# Altium PCB miniBackplane.PcbDoc (part 7 of 24)
Units mil, origin at the board's own origin, x right, y up, seen from the top; angles counter-clockwise.
Board outline 17285.63 x 8582.68 mil, 6 copper layers (Top Layer, Mid-Layer 1, GND, PWR, Mid-Layer 2, Bottom Layer), stack 62.362 mil thick; 519 components, 474 nets, 2434 pads, 1493 vias.
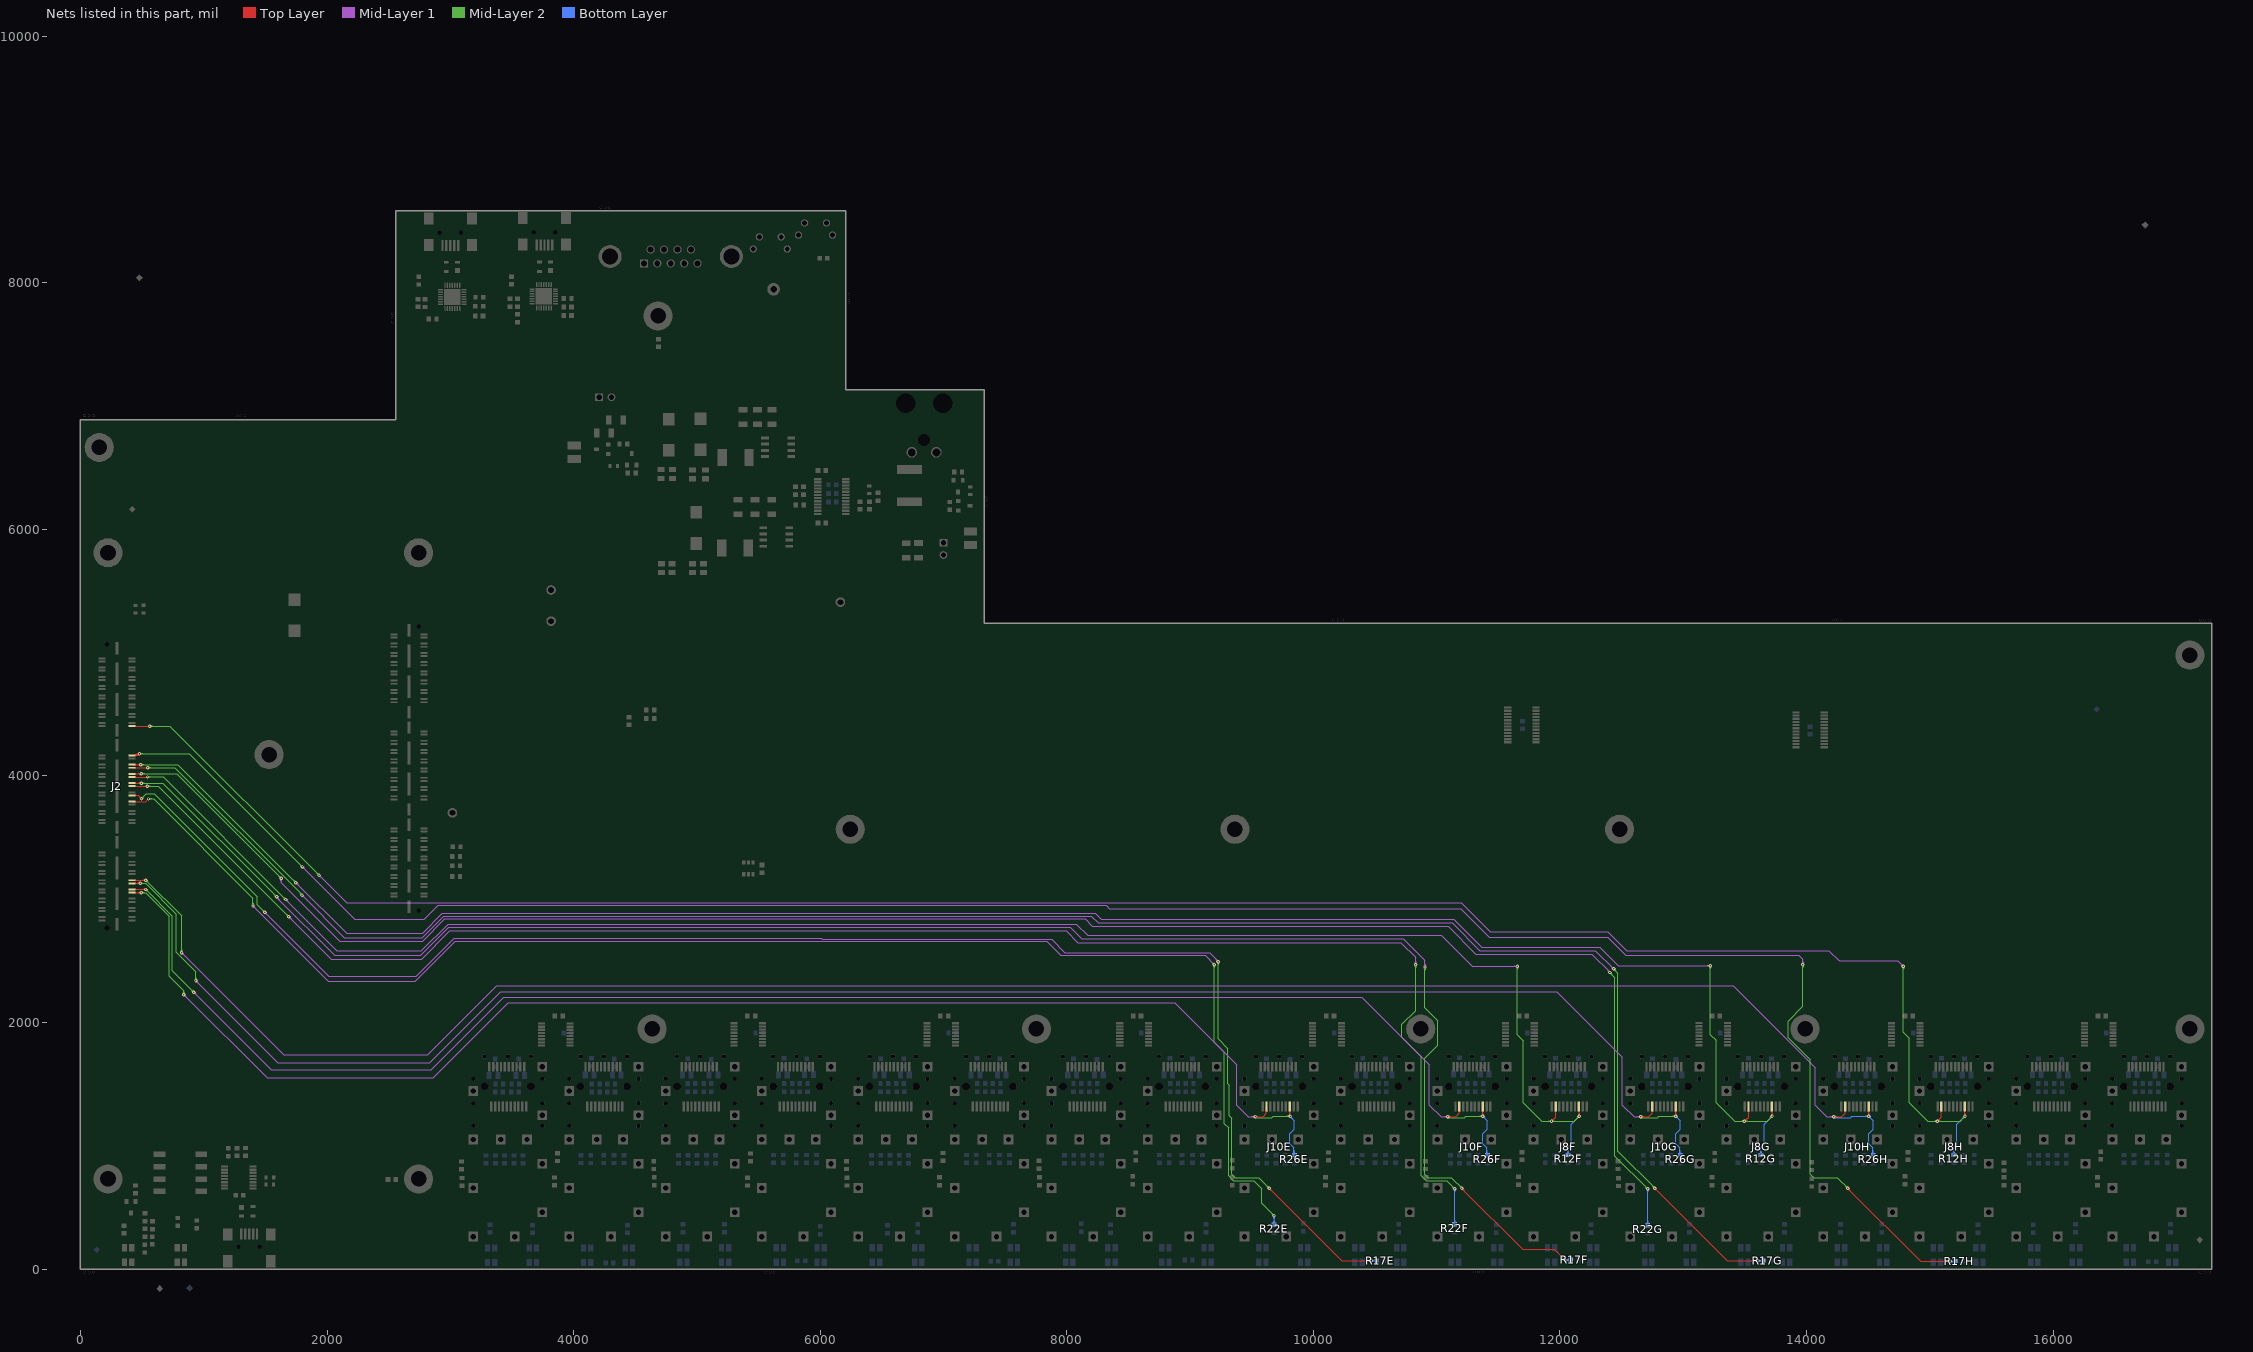
[diagram p11: the nets of this part, all layers, seen from the top]

## Via types
v1: diameter 27.56, hole 11.81, Top Layer to Bottom Layer, tented both sides, 1347 vias
v2: diameter 23.62, hole 11.81, Top Layer to Bottom Layer, tented both sides, 146 vias

## Nets (pads, with @x,y where several pads share a name; then routed paths per layer and width w, separated by ;. In a path a pad name is that pad's centre, name@x,y a point inside that pad or via, vN(x,y) a via of type N, cw(c..) or ccw(c..) an arc to the next point about the centre after c; other vN are vias at no path point) (continued)
FPGA_GPIO5: J2.20 J10H.2 J10H.8 R26H.1 | length 17435.9
  Top Layer w7.87: J2.20@417.94,3153.79 418.53,3154.38 526.62,3154.38 528,3153 v1(531,3153) ; v1(14221.75,1235.56) 14286.75,1235.56 14314.72,1263.54 J10H.2@14314.72,1320.05 ; v1@14503.7,1240.61 J10H.8@14503.7,1320.05 ; 14245.51,1235.56 ccw(c14245.51,1211.8) 14228.71,1228.6 cw(c14245.51,1211.8) 14245.51,1235.56 ; 14245.51,1235.56 cw(c14245.51,1259.32) 14228.71,1242.52 ccw(c14245.51,1259.32) 14245.51,1235.56 ; 14314.72,1274.6 ccw(c14300.47,1274.6) 14310.55,1284.68 cw(c14300.47,1274.6) 14314.72,1274.6 ; 14314.72,1274.6 cw(c14328.98,1274.6) 14318.9,1284.68 ccw(c14328.98,1274.6) 14314.72,1274.6 ; 14503.7,1274.6 ccw(c14489.44,1274.6) 14499.52,1284.68 cw(c14489.44,1274.6) 14503.7,1274.6 ; 14503.7,1274.6 cw(c14517.96,1274.6) 14507.88,1284.68 ccw(c14517.96,1274.6) 14503.7,1274.6 ; J2.20@441.39,3151.01 cw(c449.54,3142.86) 449.54,3154.38 ccw(c449.54,3142.86) J2.20@441.39,3151.01 ; J2.20@441.39,3156.58 ccw(c446.69,3161.87) 446.69,3154.38 cw(c446.69,3161.87) J2.20@441.39,3156.58 ; 503.9,3154.38 cw(c503.9,3125.9) 524.04,3146.04 ccw(c503.9,3125.9) 503.9,3154.38 ; 510.57,3154.38 ccw(c510.57,3173.43) 524.04,3159.96 cw(c510.57,3173.43) 510.57,3154.38 ; v1@14498.73,1245.58 ccw(c14486.74,1257.57) 14503.7,1257.57 cw(c14486.74,1257.57) v1@14498.73,1245.58 ; 14503.7,1267.19 ccw(c14534.26,1267.19) 14512.65,1245.58 cw(c14534.26,1267.19) 14503.7,1267.19
  Mid-Layer 1 w7.09: v1@816.23,2563.87 ccw(c832,2568.59) 827.74,2552.69 ; v1@820.9,2566.9 1648.62,1739.17 2816.93,1739.17 3375,2297.24 13406.5,2297.24 ; 13406,2296.75 14071.75,1631.01 14071.75,1330.56 14166,1236.31 v1@14221,1236.31 ; v1@820,2554.76 cw(c820,2523.3) 842.25,2545.55 ccw(c820,2523.3) v1@820,2554.76 ; v1@830.24,2565 ccw(c848.2,2565) 835.5,2552.3 cw(c848.2,2565) v1@830.24,2565 ; 14195.23,1236.31 cw(c14195.23,1209.04) 14214.51,1228.32 ccw(c14195.23,1209.04) 14195.23,1236.31 ; 14198.84,1236.31 ccw(c14198.84,1258.47) 14214.51,1242.8 cw(c14198.84,1258.47) 14198.84,1236.31
  Mid-Layer 2 w7.09: v1(531,3153) 820,2864 v1(820,2565) ; 548.47,3135.53 ccw(c531,3118.05) 531,3142.76 cw(c531,3118.05) 548.47,3135.53 ; 548.47,3135.53 cw(c565.95,3153) 541.24,3153 ccw(c565.95,3153) 548.47,3135.53 ; 820,2589.71 ccw(c844.71,2589.71) 827.24,2572.24 cw(c844.71,2589.71) 820,2589.71 ; 820,2589.71 cw(c795.29,2589.71) 812.76,2572.24 ccw(c795.29,2589.71) 820,2589.71
  Bottom Layer w7.87: v1@14221.75,1228.53 14357.64,1228.53 14367.73,1238.62 v1(14505.69,1238.62) 14540.69,1203.62 14540.69,1133.62 14503.7,1096.63 14503.7,1014.93 14535.69,982.94 14535.69,928.21 R26H.1@14541.38,922.53 ; v1@14223.32,1234.38 cw(c14232.17,1227.77) 14237.69,1237.33 ; v1@14229.15,1229.08 cw(c14232.71,1225.96) 14235.08,1230.06 cw(c14238.58,1236.12) v1@14231.59,1235.89 ; v1@14229.63,1229.67 cw(c14239.32,1222.42) 14245.37,1232.9 ; 14481.93,1238.62 ccw(c14481.93,1262.38) 14498.73,1245.58 cw(c14481.93,1262.38) 14481.93,1238.62 ; 14481.93,1238.62 cw(c14481.93,1214.86) 14498.73,1231.66 ccw(c14481.93,1214.86) 14481.93,1238.62 ; 14522.5,1221.82 ccw(c14505.69,1205.02) 14505.69,1228.78 cw(c14505.69,1205.02) 14522.5,1221.82 ; 14522.49,1221.82 cw(c14539.3,1238.62) 14515.54,1238.62 ccw(c14539.3,1238.62) 14522.49,1221.82 ; v1@14223.14,1236.95 ccw(c14243.48,1257.29) 14243.48,1228.53 cw(c14243.48,1257.29) v1@14223.14,1236.95 ; v1@14228.71,1242.52 ccw(c14262.49,1276.3) 14262.49,1228.53 cw(c14262.49,1276.3) v1@14228.71,1242.52 ; R26H.1@14529.67,932.27 ccw(c14515.12,946.82) 14535.69,946.82 cw(c14515.12,946.82) R26H.1@14529.67,932.27 ; 14535.69,945.76 ccw(c14562.64,945.76) 14543.59,926.7 cw(c14562.64,945.76) 14535.69,945.76 ; 14535.69,964.77 ccw(c14581.65,964.77) 14549.15,932.27 cw(c14581.65,964.77) 14535.69,964.77
FPGA_GPIO6: J2.64 R17H.1 | length 18997
  Top Layer w7.87: J2.64@417.94,4166.29 473.29,4166.29 479,4172 v1(479,4179) v1@484,4184 ; J2.64@440.58,4169.7 ccw(c447.52,4181.72) 451.11,4168.31 ; J2.64@442.02,4164.32 cw(c461.01,4153.36) 455.33,4174.54 ; 448.39,4171.8 cw(c460.21,4152.07) v1@473.37,4170.93 ; 456.98,4168.48 cw(c467.59,4150.09) v1@475.39,4169.84 ; 458.83,4178.05 cw(c467.84,4163) v1@477.87,4177.39 ; 461.45,4171.06 ccw(c452.81,4186.02) v1@469.49,4181.55 ; 467.26,4165.64 ccw(c463.74,4171.75) v1@470.11,4174.78 ; v1@14335.17,652.61 cw(c14329.48,632.06) 14350.07,637.58 ; v1(14335.69,654.5) 14335.69,652.48 14925.17,63 v1(15165.33,63) ; 448.12,4166.29 ccw(c448.12,4156.79) 441.39,4163.51 cw(c448.12,4156.79) 448.12,4166.29 ; 448.12,4166.29 cw(c448.12,4175.8) 441.39,4169.08 ccw(c448.12,4175.8) 448.12,4166.29 ; 15141.57,63 ccw(c15141.57,86.76) 15158.37,69.96 cw(c15141.57,86.76) 15141.57,63 ; 15141.57,63 cw(c15141.57,39.24) 15158.37,56.04 ccw(c15141.57,39.24) 15141.57,63 ; J2.64@424.56,4166.29 ccw(c424.56,4233.44) 472.04,4185.96 cw(c424.56,4233.44) J2.64@424.56,4166.29 ; J2.64@443.57,4166.29 ccw(c443.57,4214.43) 477.61,4180.39 cw(c443.57,4214.43) J2.64@443.57,4166.29 ; 462.58,4166.29 ccw(c462.58,4195.42) 483.18,4174.82 cw(c462.58,4195.42) 462.58,4166.29 ; v1@14335.69,644.66 cw(c14335.69,625.78) 14349.04,639.13 ccw(c14335.69,625.78) v1@14335.69,644.66 ; v1@14345.54,654.5 ccw(c14374.18,654.5) 14353.93,634.25 cw(c14374.18,654.5) v1@14345.54,654.5
  Mid-Layer 1 w7.09: v1(1800.69,3261.32) 2223.43,2838.58 2789.37,2838.58 2900.59,2949.8 8319.88,2949.8 8345.47,2924.21 11193.9,2924.21 11425.2,2692.91 12389.76,2692.91 12535.43,2547.24 13937.01,2547.24 13970.71,2513.54 v1(13970.71,2470) ; 1818.16,3243.84 ccw(c1800.69,3226.37) 1800.69,3251.08 cw(c1800.69,3226.37) 1818.16,3243.84 ; 1818.16,3243.84 cw(c1835.64,3261.32) 1810.93,3261.32 ccw(c1835.64,3261.32) 1818.16,3243.84 ; 13970.71,2494.71 ccw(c13995.42,2494.71) 13977.95,2477.24 cw(c13995.42,2494.71) 13970.71,2494.71 ; 13970.71,2494.71 cw(c13946,2494.71) 13963.47,2477.24 ccw(c13946,2494.71) 13970.71,2494.71
  Mid-Layer 2 w7.09: v1(479,4179) 883.01,4179 v1(1800.69,3261.32) ; v1(13970.71,2470) 13970.71,2132.13 13850.39,2011.81 13850.39,1877.95 14031.75,1696.6 14031.75,770.56 14060.5,741.81 14250.5,741.81 v1@14336.75,655.56 ; 14323.45,662 ccw(c14338.92,666.14) v1@14334.64,650.71 ; 503.71,4179 ccw(c503.71,4154.29) 486.24,4171.76 cw(c503.71,4154.29) 503.71,4179 ; 503.71,4179 cw(c503.71,4203.71) 486.24,4186.24 ccw(c503.71,4203.71) 503.71,4179 ; 1783.21,3278.79 ccw(c1800.69,3296.27) 1800.69,3271.56 cw(c1800.69,3296.27) 1783.21,3278.79 ; 1783.21,3278.79 cw(c1765.74,3261.32) 1790.45,3261.32 ccw(c1765.74,3261.32) 1783.21,3278.79 ; 13970.71,2445.29 ccw(c13946,2445.29) 13963.47,2462.76 cw(c13946,2445.29) 13970.71,2445.29 ; 13970.71,2445.29 cw(c13995.42,2445.29) 13977.95,2462.76 ccw(c13995.42,2445.29) 13970.71,2445.29 ; 14316.73,675.58 cw(c14295.65,654.5) 14325.46,654.5 ccw(c14295.65,654.5) 14316.73,675.58 ; 14321.82,670.49 ccw(c14335.69,684.36) 14335.69,664.74 cw(c14335.69,684.36) 14321.82,670.49
  Bottom Layer w7.87: v1(15165.33,63) 15169.27,59.06 R17H.1@15216.51,59.06 ; v1@15174.69,66.05 ccw(c15180.4,67.91) 15181.96,62.1 ; v1@15174.69,66.05 ccw(c15180.4,67.91) 15181.96,62.1 ; v1@15174.69,66.05 ccw(c15180.4,67.91) 15181.96,62.1 ; 15179.59,59.06 ccw(c15179.59,48.74) 15172.29,56.04 cw(c15179.59,48.74) 15179.59,59.06 ; 15179.59,59.06 cw(c15179.59,77.26) 15166.72,64.39 ccw(c15179.59,77.26) 15179.59,59.06 ; v1@15170.62,59.06 ccw(c15170.62,99.05) 15198.89,70.77 cw(c15170.62,99.05) v1@15170.62,59.06 ; v1@15172.29,69.96 ccw(c15198.6,96.27) 15198.6,59.06 cw(c15198.6,96.27) v1@15172.29,69.96 ; 15180.12,59.06 cw(c15180.12,32.52) 15198.89,51.29 ccw(c15180.12,32.52) 15180.12,59.06 ; 15189.63,59.06 ccw(c15189.63,80.04) 15204.46,65.21 cw(c15189.63,80.04) 15189.63,59.06
FPGA_GPIO7: J2.66 J8H.2 J8H.8 R12H.1 | length 18495.5
  Top Layer w7.87: J2.66@417.94,4403.79 418.53,4403.2 562.2,4403.2 v1(562.79,4403.79) v1@563,4404 ; v1@15061.35,1201.61 ccw(c15057.58,1220.02) 15075.74,1215.15 ; v1(15061.75,1199.68) 15094.72,1232.65 J8H.2@15094.72,1320.05 ; v1@15063.68,1199.28 cw(c15082.09,1195.51) 15077.23,1213.67 ; v1(15285.69,1238.62) J8H.8@15285.69,1318.06 ; 15078.55,1216.48 ccw(c15095.35,1199.68) 15071.59,1199.68 cw(c15095.35,1199.68) 15078.55,1216.48 ; 15078.55,1216.48 cw(c15061.75,1233.28) 15061.75,1209.52 ccw(c15061.75,1233.28) 15078.55,1216.48 ; 15094.72,1274.6 ccw(c15080.47,1274.6) 15090.55,1284.68 cw(c15080.47,1274.6) 15094.72,1274.6 ; 15094.72,1274.6 cw(c15108.98,1274.6) 15098.9,1284.68 ccw(c15108.98,1274.6) 15094.72,1274.6 ; 15285.69,1262.38 ccw(c15309.45,1262.38) 15292.65,1245.58 cw(c15309.45,1262.38) 15285.69,1262.38 ; 15285.69,1262.38 cw(c15261.93,1262.38) 15278.73,1245.58 ccw(c15261.93,1262.38) 15285.69,1262.38 ; J2.66@441.39,4401.01 cw(c446.69,4395.71) 446.69,4403.2 ccw(c446.69,4395.71) J2.66@441.39,4401.01 ; J2.66@441.39,4406.58 ccw(c449.54,4414.72) 449.54,4403.2 cw(c449.54,4414.72) J2.66@441.39,4406.58 ; J8H.8@15279.52,1284.68 cw(c15264.63,1269.79) 15285.69,1269.79 ccw(c15264.63,1269.79) J8H.8@15279.52,1284.68
  Mid-Layer 1 w7.09: v1(1935.04,3194.88) 2158.46,2971.46 11201.77,2971.46 11437.01,2736.22 12389.76,2736.22 12543.31,2582.68 14181.1,2582.68 14263.78,2500 14740.16,2500 v1(14785.71,2454.45) ; 1952.51,3177.41 ccw(c1935.04,3159.93) 1935.04,3184.65 cw(c1935.04,3159.93) 1952.51,3177.41 ; 1952.51,3177.41 cw(c1969.99,3194.88) 1945.28,3194.88 ccw(c1969.99,3194.88) 1952.51,3177.41 ; 14768.23,2471.92 ccw(c14785.71,2489.4) 14785.71,2464.69 cw(c14785.71,2489.4) 14768.23,2471.92 ; 14768.23,2471.92 cw(c14750.76,2454.45) 14775.47,2454.45 ccw(c14750.76,2454.45) 14768.23,2471.92
  Mid-Layer 2 w7.09: v1(562.79,4403.79) 726.13,4403.79 v1(1935.04,3194.88) ; v1(14785.71,2454.45) 14785.71,1919.02 14831.75,1872.98 14831.75,1350.56 14983.68,1198.62 15245.69,1198.62 v1(15285.69,1238.62) ; 587.5,4403.79 ccw(c587.5,4379.08) 570.03,4396.55 cw(c587.5,4379.08) 587.5,4403.79 ; 587.5,4403.79 cw(c587.5,4428.5) 570.03,4411.03 ccw(c587.5,4428.5) 587.5,4403.79 ; 1917.57,3212.36 ccw(c1935.04,3229.83) 1935.04,3205.12 cw(c1935.04,3229.83) 1917.57,3212.36 ; 1917.57,3212.36 cw(c1900.09,3194.88) 1924.8,3194.88 ccw(c1900.09,3194.88) 1917.57,3212.36 ; 14785.71,2429.74 ccw(c14761,2429.74) 14778.47,2447.21 cw(c14761,2429.74) 14785.71,2429.74 ; 14785.71,2429.74 cw(c14810.42,2429.74) 14792.95,2447.21 ccw(c14810.42,2429.74) 14785.71,2429.74 ; 15268.22,1221.15 ccw(c15250.74,1238.62) 15275.46,1238.62 cw(c15250.74,1238.62) 15268.22,1221.15 ; 15268.22,1221.15 cw(c15285.69,1203.67) 15285.69,1228.39 ccw(c15285.69,1203.67) 15268.22,1221.15 ; 15034.49,1198.62 ccw(c15034.49,1226.94) 15054.51,1206.92 cw(c15034.49,1226.94) 15034.49,1198.62 ; 15039.58,1198.62 cw(c15039.58,1177.51) 15054.51,1192.44 ccw(c15039.58,1177.51) 15039.58,1198.62 ; v1@15068.99,1192.44 cw(c15083.91,1177.51) 15083.91,1198.62 ccw(c15083.91,1177.51) v1@15068.99,1192.44 ; v1@15068.99,1206.92 ccw(c15089.01,1226.94) 15089.01,1198.62 cw(c15089.01,1226.94) v1@15068.99,1206.92
  Bottom Layer w7.87: R12H.1@15195.69,925.12 15195.69,988.62 15220.69,1013.62 15220.69,1173.62 v1(15285.69,1238.62) ; 15195.69,958.38 ccw(c15228.96,958.38) 15205.44,934.86 cw(c15228.96,958.38) 15195.69,958.38 ; 15195.69,958.38 cw(c15162.43,958.38) 15185.95,934.86 ccw(c15162.43,958.38) 15195.69,958.38 ; 15268.89,1221.82 ccw(c15252.09,1238.62) 15275.85,1238.62 cw(c15252.09,1238.62) 15268.89,1221.82 ; 15268.89,1221.82 cw(c15285.69,1205.02) 15285.69,1228.78 ccw(c15285.69,1205.02) 15268.89,1221.82
FPGA_GPIO8: J2.56 R22G.1 | length 15843.7
  Top Layer w7.87: J2.56@417.94,4016.29 v1(494.29,4016.29) v1@495,4017 ; 448.12,4016.29 ccw(c448.12,4006.79) 441.39,4013.51 cw(c448.12,4006.79) 448.12,4016.29 ; 448.12,4016.29 cw(c448.12,4025.8) 441.39,4019.08 ccw(c448.12,4025.8) 448.12,4016.29 ; 470.53,4016.29 ccw(c470.53,4040.05) 487.33,4023.25 cw(c470.53,4040.05) 470.53,4016.29 ; 470.53,4016.29 cw(c470.53,3992.53) 487.33,4009.33 ccw(c470.53,3992.53) 470.53,4016.29
  Mid-Layer 1 w7.09: v1(1627.95,3168.31) 1627.95,3131.89 2102.36,2657.48 2774.61,2657.48 2956.69,2839.57 8148.62,2839.57 8207.68,2780.51 11093.5,2780.51 11318.9,2555.12 12259.84,2555.12 v1@12407.48,2407.48 ; 12393.09,2413.66 ccw(c12409.74,2418.12) v1@12404.26,2401.78 ; 1627.95,3143.59 ccw(c1603.24,3143.59) 1620.71,3161.07 cw(c1603.24,3143.59) 1627.95,3143.59 ; 1627.95,3143.59 cw(c1652.67,3143.59) 1635.19,3161.07 ccw(c1652.67,3143.59) 1627.95,3143.59 ; 12385.25,2429.71 cw(c12361.06,2405.51) 12395.28,2405.51 ccw(c12361.06,2405.51) 12385.25,2429.71 ; 12394.76,2420.2 ccw(c12405.51,2430.96) 12405.51,2415.75 cw(c12405.51,2430.96) 12394.76,2420.2 ; 12397.35,2417.61 cw(c12385.25,2405.51) 12402.36,2405.51 ccw(c12385.25,2405.51) 12397.35,2417.61
  Mid-Layer 2 w7.09: v1(494.29,4016.29) 494.88,4016.88 779.38,4016.88 v1(1627.95,3168.31) ; v1@12403.54,2403.54 12445.71,2361.38 12445.71,916.6 v1(12711.75,650.56) ; v1@12406.76,2409.24 cw(c12401.28,2392.9) 12417.93,2397.36 ; 1610.48,3185.78 ccw(c1627.95,3203.26) 1627.95,3178.54 cw(c1627.95,3203.26) 1610.48,3185.78 ; 1610.48,3185.78 cw(c1593,3168.31) 1617.72,3168.31 ccw(c1593,3168.31) 1610.48,3185.78 ; 12694.27,668.03 ccw(c12711.75,685.51) 12711.75,660.8 cw(c12711.75,685.51) 12694.27,668.03 ; 12694.27,668.03 cw(c12676.8,650.56) 12701.51,650.56 ccw(c12676.8,650.56) 12694.27,668.03 ; v1@501.53,4009.05 cw(c520.43,3990.15) 520.43,4016.88 ccw(c520.43,3990.15) v1@501.53,4009.05 ; v1@501.53,4023.53 ccw(c517.58,4039.58) 517.58,4016.88 cw(c517.58,4039.58) v1@501.53,4023.53 ; v1@12405.51,2395.28 cw(c12405.51,2380.07) 12416.27,2390.82 ccw(c12405.51,2380.07) v1@12405.51,2395.28 ; v1@12408.66,2405.51 ccw(c12425.77,2405.51) 12413.67,2393.41 cw(c12425.77,2405.51) v1@12408.66,2405.51 ; v1@12415.75,2405.51 ccw(c12449.97,2405.51) 12425.77,2381.32 cw(c12449.97,2405.51) v1@12415.75,2405.51
  Bottom Layer w7.87: R22G.1@12711.75,354.34 v1(12711.75,650.56) ; 12711.75,626.8 ccw(c12687.99,626.8) 12704.79,643.6 cw(c12687.99,626.8) 12711.75,626.8 ; 12711.75,626.8 cw(c12735.51,626.8) 12718.71,643.6 ccw(c12735.51,626.8) 12711.75,626.8 ; R22G.1@12702.83,364.08 ccw(c12681.3,385.61) 12711.75,385.61 cw(c12681.3,385.61) R22G.1@12702.83,364.08 ; 12711.75,389.6 ccw(c12747.84,389.6) 12722.32,364.08 cw(c12747.84,389.6) 12711.75,389.6
  other v1: 12405.51,2405.51
FPGA_GPIO9: J2.18 J10G.2 J10G.8 R26G.1 | length 15970.3
  Top Layer w7.87: J2.18@417.94,3128.79 v1(485.79,3128.79) v1@487,3130 ; v1(12656.75,1235.56) 12721.75,1235.56 12749.72,1263.54 J10G.2@12749.72,1320.05 ; v1@12938.7,1240.61 J10G.8@12938.7,1320.05 ; 448.12,3128.79 ccw(c448.12,3119.29) 441.39,3126.01 cw(c448.12,3119.29) 448.12,3128.79 ; 448.12,3128.79 cw(c448.12,3138.3) 441.39,3131.58 ccw(c448.12,3138.3) 448.12,3128.79 ; 462.03,3128.79 ccw(c462.03,3152.55) 478.83,3135.75 cw(c462.03,3152.55) 462.03,3128.79 ; 462.03,3128.79 cw(c462.03,3105.03) 478.83,3121.83 ccw(c462.03,3105.03) 462.03,3128.79 ; 12680.51,1235.56 ccw(c12680.51,1211.8) 12663.71,1228.6 cw(c12680.51,1211.8) 12680.51,1235.56 ; 12680.51,1235.56 cw(c12680.51,1259.32) 12663.71,1242.52 ccw(c12680.51,1259.32) 12680.51,1235.56 ; 12749.72,1274.6 ccw(c12735.47,1274.6) 12745.55,1284.68 cw(c12735.47,1274.6) 12749.72,1274.6 ; 12749.72,1274.6 cw(c12763.98,1274.6) 12753.9,1284.68 ccw(c12763.98,1274.6) 12749.72,1274.6 ; 12938.7,1274.6 ccw(c12924.44,1274.6) 12934.52,1284.68 cw(c12924.44,1274.6) 12938.7,1274.6 ; 12938.7,1274.6 cw(c12952.96,1274.6) 12942.88,1284.68 ccw(c12952.96,1274.6) 12938.7,1274.6 ; v1@12933.73,1245.58 ccw(c12921.74,1257.57) 12938.7,1257.57 cw(c12921.74,1257.57) v1@12933.73,1245.58 ; 12938.7,1267.19 ccw(c12969.26,1267.19) 12947.65,1245.58 cw(c12969.26,1267.19) 12938.7,1267.19
  Mid-Layer 1 w7.09: v1(937.01,2338.58) 1600.39,1675.2 2832.68,1675.2 3408.46,2250.98 11972.44,2250.98 12506.75,1716.68 12506.75,1330.56 12601,1236.31 v1@12656,1236.31 ; 954.48,2321.11 ccw(c937.01,2303.63) 937.01,2328.35 cw(c937.01,2303.63) 954.48,2321.11 ; 954.48,2321.11 cw(c971.96,2338.58) 947.24,2338.58 ccw(c971.96,2338.58) 954.48,2321.11 ; 12630.23,1236.31 cw(c12630.23,1209.04) 12649.51,1228.32 ccw(c12630.23,1209.04) 12630.23,1236.31 ; 12633.84,1236.31 ccw(c12633.84,1258.47) 12649.51,1242.8 cw(c12633.84,1258.47) 12633.84,1236.31
  Mid-Layer 2 w7.09: v1(485.79,3128.79) 487.17,3127.41 529.59,3127.41 778,2879 778,2570.81 937.01,2411.8 v1(937.01,2338.58) ; v1@12656.75,1228.53 12792.64,1228.53 12802.73,1238.62 v1(12940.69,1238.62) ; v1@12659.31,1233.73 cw(c12668.49,1227.18) 12674.12,1236.94 ; v1@12664.75,1229.18 cw(c12668.95,1225.84) 12671.62,1230.48 cw(c12676.57,1239.05) v1@12666.83,1237.33 ; v1@12665.08,1229.61 cw(c12674.87,1222.63) 12680.88,1233.04 ; 937.01,2363.3 ccw(c961.72,2363.3) 944.25,2345.82 cw(c961.72,2363.3) 937.01,2363.3 ; 937.01,2363.3 cw(c912.3,2363.3) 929.77,2345.82 ccw(c912.3,2363.3) 937.01,2363.3 ; 12915.98,1238.62 ccw(c12915.98,1263.33) 12933.45,1245.86 cw(c12915.98,1263.33) 12915.98,1238.62 ; 12915.98,1238.62 cw(c12915.98,1213.91) 12933.45,1231.38 ccw(c12915.98,1213.91) 12915.98,1238.62 ; v1@493.03,3121.55 cw(c507.17,3107.42) 507.17,3127.41 ccw(c507.17,3107.42) v1@493.03,3121.55 ; v1@493.03,3136.03 ccw(c513.84,3156.84) 513.84,3127.41 cw(c513.84,3156.84) v1@493.03,3136.03 ; v1@12658.98,1237.79 ccw(c12681.33,1260.14) 12681.33,1228.53 cw(c12681.33,1260.14) v1@12658.98,1237.79 ; v1@12663.99,1242.8 ccw(c12698.44,1277.25) 12698.44,1228.53 cw(c12698.44,1277.25) v1@12663.99,1242.8
  Bottom Layer w7.87: v1(12940.69,1238.62) 12975.69,1203.62 12975.69,1133.62 12938.7,1096.63 12938.7,1014.93 12970.69,982.94 12970.69,928.21 R26G.1@12976.38,922.53 ; 12957.5,1221.82 ccw(c12940.69,1205.02) 12940.69,1228.78 cw(c12940.69,1205.02) 12957.5,1221.82 ; 12957.49,1221.82 cw(c12974.3,1238.62) 12950.54,1238.62 ccw(c12974.3,1238.62) 12957.49,1221.82 ; R26G.1@12964.67,932.27 ccw(c12950.12,946.82) 12970.69,946.82 cw(c12950.12,946.82) R26G.1@12964.67,932.27 ; 12970.69,945.76 ccw(c12997.64,945.76) 12978.59,926.7 cw(c12997.64,945.76) 12970.69,945.76 ; 12970.69,964.77 ccw(c13016.65,964.77) 12984.15,932.27 cw(c13016.65,964.77) 12970.69,964.77
FPGA_GPIO10: J2.58 R17G.1 | length 16957.2
  Top Layer w7.87: J2.58@417.94,4066.29 418.53,4065.7 544.7,4065.7 v1(545.29,4066.29) v1@547,4068 ; v1@12770.3,652.58 cw(c12766.53,634.16) 12784.68,639.03 ; v1(12770.69,654.5) 13358.26,66.94 v1(13606.28,66.94) ; v1@12772.62,654.9 ccw(c12791.03,658.67) 12786.17,640.51 ; 12787.5,637.7 ccw(c12770.69,620.9) 12770.69,644.66 cw(c12770.69,620.9) 12787.5,637.7 ; 12787.49,637.7 cw(c12804.3,654.5) 12780.54,654.5 ccw(c12804.3,654.5) 12787.49,637.7 ; 13582.51,66.94 ccw(c13582.51,90.7) 13599.32,73.9 cw(c13582.51,90.7) 13582.51,66.94 ; 13582.51,66.94 cw(c13582.51,43.17) 13599.32,59.98 ccw(c13582.51,43.17) 13582.51,66.94 ; J2.58@441.39,4063.51 cw(c446.69,4058.21) 446.69,4065.7 ccw(c446.69,4058.21) J2.58@441.39,4063.51 ; J2.58@441.39,4069.08 ccw(c449.54,4077.22) 449.54,4065.7 cw(c449.54,4077.22) J2.58@441.39,4069.08
  Mid-Layer 1 w7.09: v1(1797.24,3032.48) 2140.75,2688.98 2773.62,2688.98 2947.83,2863.19 8198.82,2863.19 8253.94,2808.07 11125,2808.07 11350.39,2582.68 12288.03,2582.68 v1(12435.71,2435) ; 1814.72,3015.01 ccw(c1797.24,2997.53) 1797.24,3022.24 cw(c1797.24,2997.53) 1814.72,3015.01 ; 1814.72,3015.01 cw(c1832.19,3032.48) 1807.48,3032.48 ccw(c1832.19,3032.48) 1814.72,3015.01 ; 12418.23,2452.47 ccw(c12435.71,2469.95) 12435.71,2445.24 cw(c12435.71,2469.95) 12418.23,2452.47 ; 12418.23,2452.47 cw(c12400.76,2435) 12425.47,2435 ccw(c12400.76,2435) 12418.23,2452.47
  Mid-Layer 2 w7.09: v1(545.29,4066.29) 766.16,4066.29 1797.24,3035.21 v1(1797.24,3032.48) ; 1784.94,3040.2 ccw(c1800.8,3044.45) v1@1796.12,3028.71 ; v1(12435.71,2435) 12470.71,2400 12470.71,956.6 v1@12771.75,655.56 ; 12758.45,662 ccw(c12773.92,666.14) v1@12769.64,650.71 ; 570,4066.29 ccw(c570,4041.58) 552.53,4059.05 cw(c570,4041.58) 570,4066.29 ; 570,4066.29 cw(c570,4091) 552.53,4073.53 ccw(c570,4091) 570,4066.29 ; 12453.18,2417.53 ccw(c12435.71,2400.05) 12435.71,2424.76 cw(c12435.71,2400.05) 12453.18,2417.53 ; 12453.18,2417.53 cw(c12470.66,2435) 12445.94,2435 ccw(c12470.66,2435) 12453.18,2417.53 ; 1777.84,3054.61 cw(c1755.71,3032.48) 1787.01,3032.48 ccw(c1755.71,3032.48) 1777.84,3054.61 ; 1784.42,3048.03 ccw(c1797.24,3060.85) 1797.24,3042.72 cw(c1797.24,3060.85) 1784.42,3048.03 ; 12751.73,675.58 cw(c12730.65,654.5) 12760.46,654.5 ccw(c12730.65,654.5) 12751.73,675.58 ; 12756.82,670.49 ccw(c12770.69,684.36) 12770.69,664.74 cw(c12770.69,684.36) 12756.82,670.49
  Bottom Layer w7.87: v1(13606.28,66.94) R17G.1@13653.52,66.94 ; v1@13613,59.75 cw(c13624.31,47.64) 13628.6,63.64 ; v1@13613,59.75 cw(c13624.31,47.64) 13628.6,63.64 ; v1@13613,59.75 cw(c13624.31,47.64) 13628.6,63.64 ; v1@13613,74.13 ccw(c13624.31,86.24) 13628.6,70.23 ; v1@13613,74.13 ccw(c13624.31,86.24) 13628.6,70.23 ; v1@13613,74.13 ccw(c13624.31,86.24) 13628.6,70.23 ; v1@13614.8,62.02 cw(c13627.69,54.57) 13623.84,68.95 ; v1@13614.8,62.02 cw(c13627.69,54.57) 13623.84,68.95 ; v1@13614.8,62.02 cw(c13627.69,54.57) 13623.84,68.95 ; v1@13614.8,71.86 ccw(c13627.69,79.3) 13623.84,64.92 ; v1@13614.8,71.86 ccw(c13627.69,79.3) 13623.84,64.92 ; v1@13614.8,71.86 ccw(c13627.69,79.3) 13623.84,64.92 ; v1@13616.32,66.94 ccw(c13616.32,100.2) 13639.84,76.68 cw(c13616.32,100.2) v1@13616.32,66.94 ; v1@13616.32,66.94 cw(c13616.32,33.67) 13639.84,57.19 ccw(c13616.32,33.67) v1@13616.32,66.94 ; 13630.04,66.94 ccw(c13630.04,43.17) 13613.24,59.98 cw(c13630.04,43.17) 13630.04,66.94 ; 13630.04,66.94 cw(c13630.04,90.7) 13613.24,73.9 ccw(c13630.04,90.7) 13630.04,66.94